# Altium PCB Tigershark 3D R1.7.PcbDoc (part 4 of 4)
Units mil, origin at the board's own origin, x right, y up, seen from the top; angles counter-clockwise.
Board outline 5500 x 4600 mil, 4 copper layers (Top Layer, Groun Plane, Power Plane, Bottom Layer); 305 components, 242 nets, 1015 pads, 866 vias.
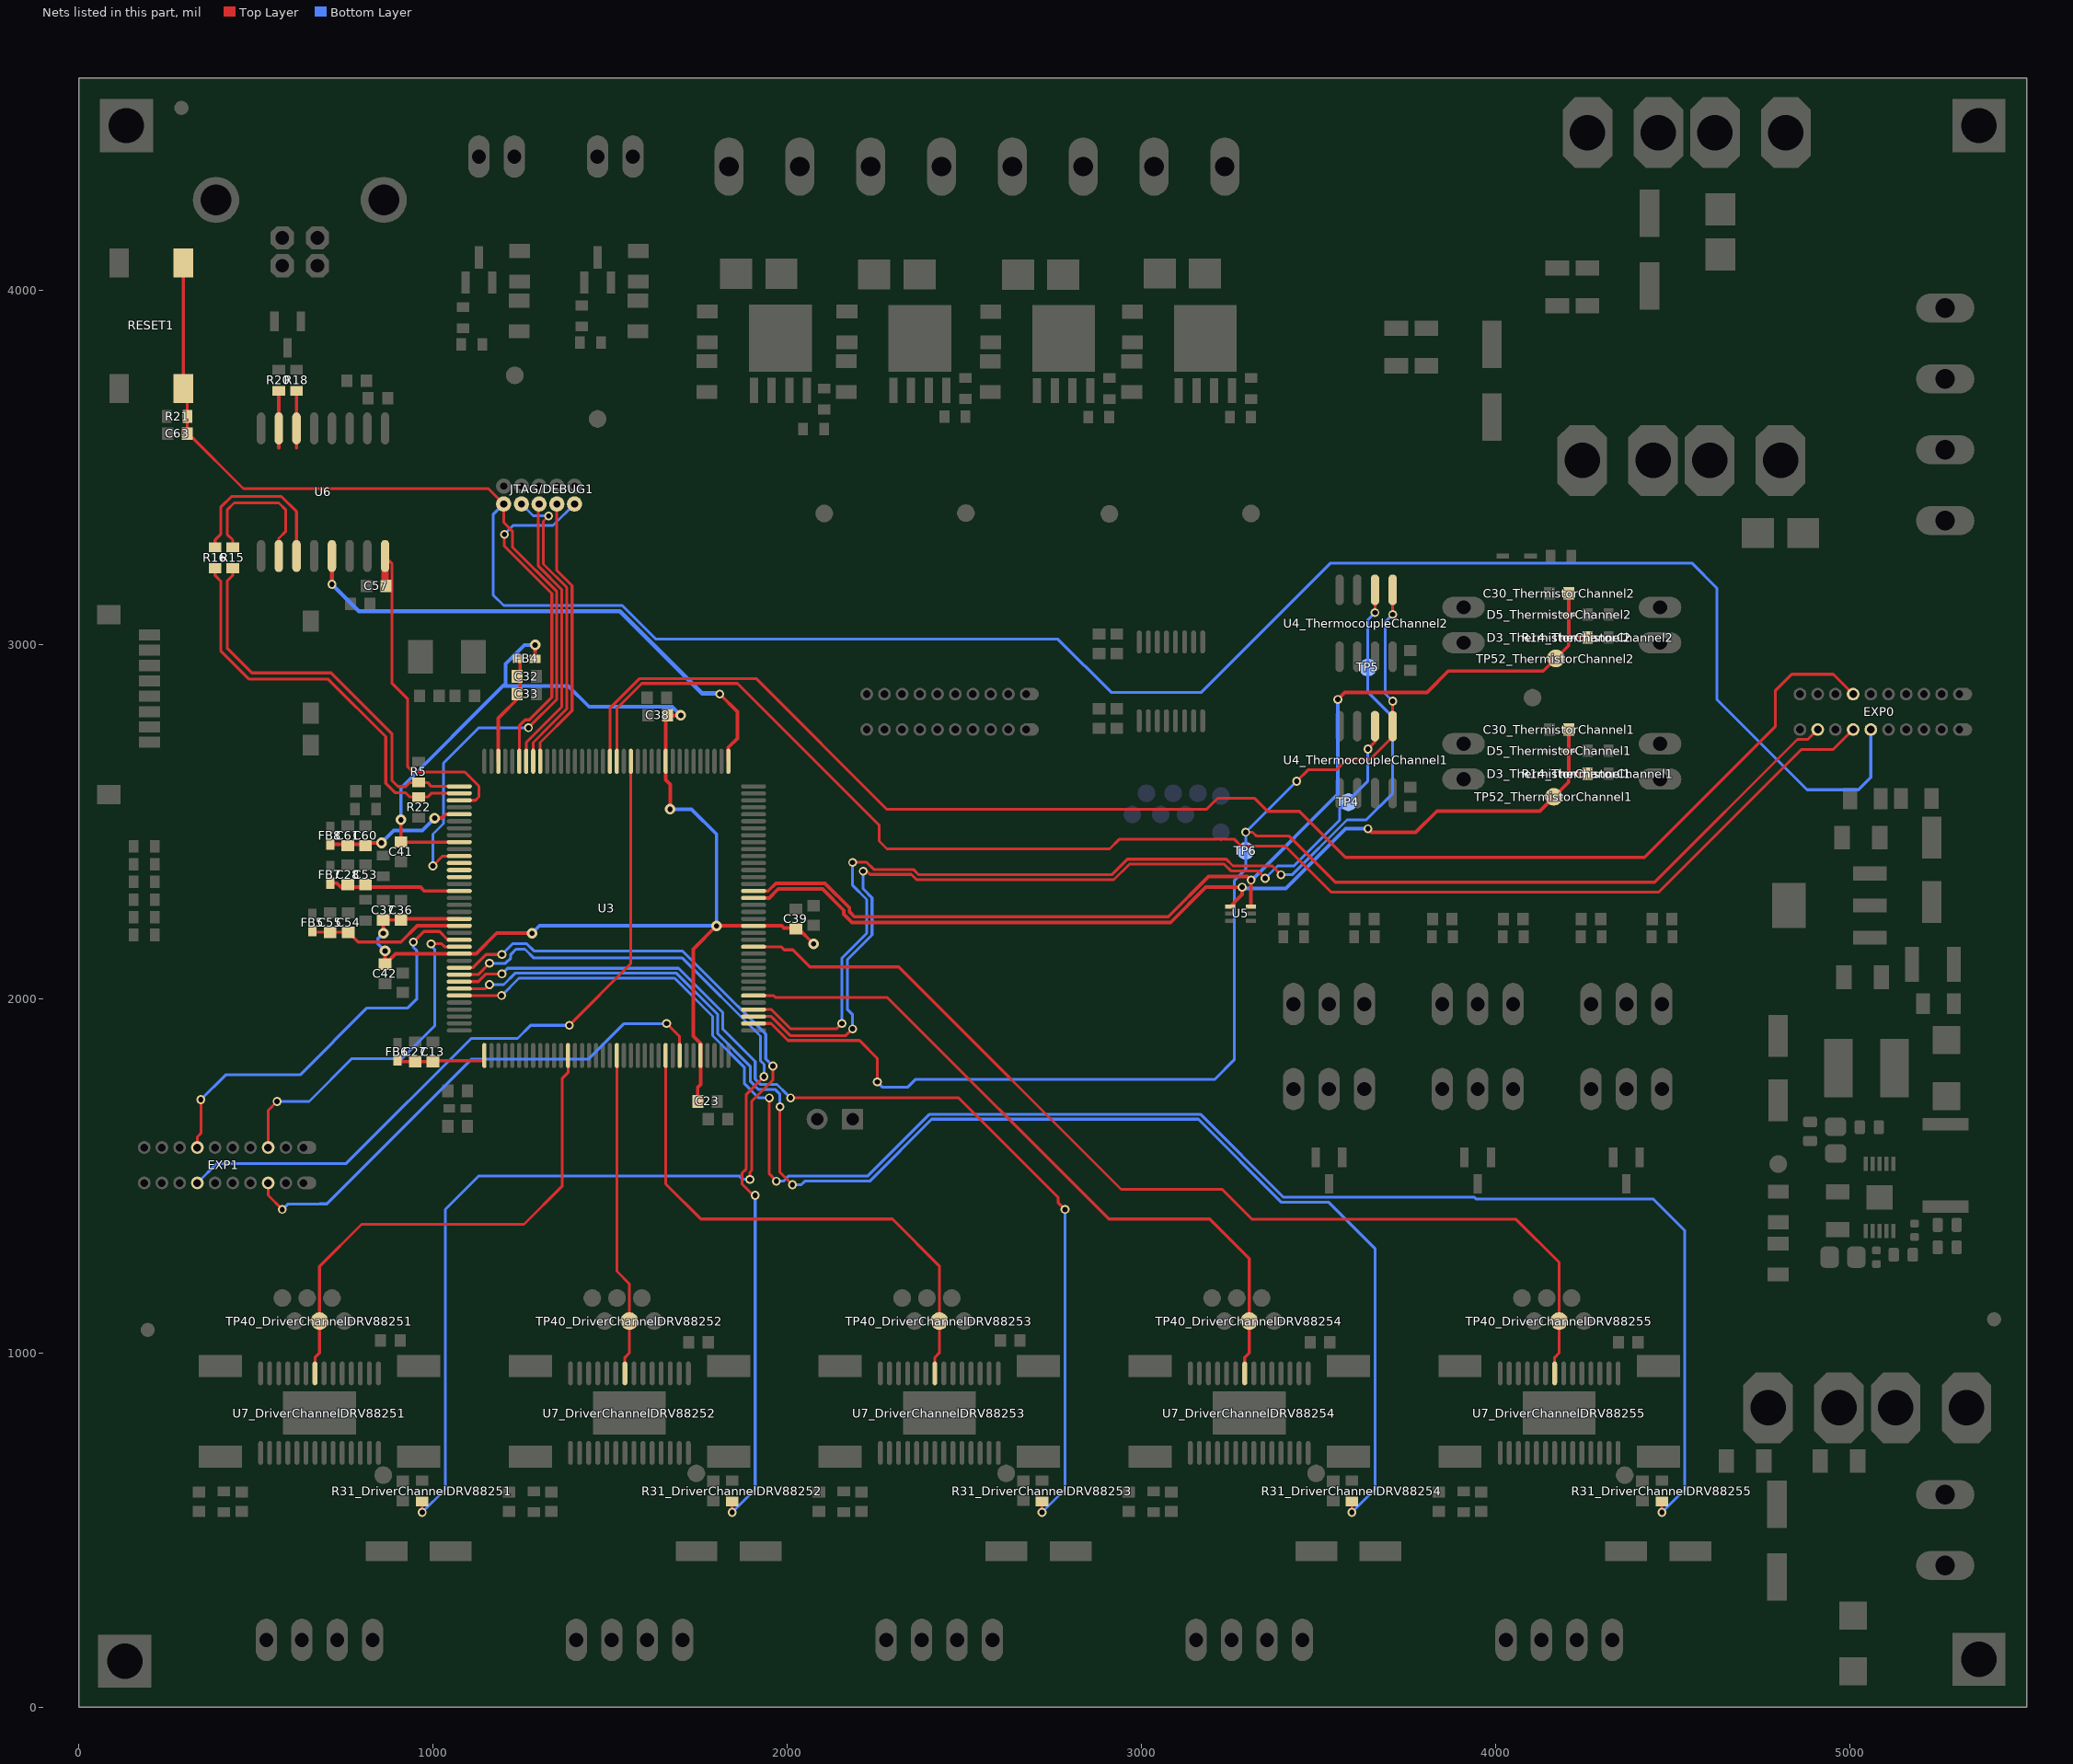
[diagram p6: the nets of this part, all layers, seen from the top]

## Via types
v1: diameter 25, hole 15, Top Layer to Bottom Layer, tented both sides, 382 vias
v2: diameter 30, hole 15, Top Layer to Bottom Layer, tented both sides, 378 vias
v3: diameter 19.68, hole 7.87, Top Layer to Bottom Layer, tented both sides, 75 vias
v4: diameter 50, hole 28, Top Layer to Bottom Layer, tented both sides, 13 vias
v5: diameter 45, hole 20, Top Layer to Bottom Layer, tented both sides, 9 vias
v6: diameter 30, hole 15, Top Layer to Bottom Layer, 9 vias

## Nets (pads, with @x,y where several pads share a name; then routed paths per layer and width w, separated by ;. In a path a pad name is that pad's centre, name@x,y a point inside that pad or via, vN(x,y) a via of type N, cw(c..) or ccw(c..) an arc to the next point about the centre after c; other vN are vias at no path point) (continued)
REF1: R31_DriverChannelDRV88251.2 U3.63 | length 3260
  Top Layer w8: v1(970,550) R31_DriverChannelDRV88251.2@970,580.47 ; U3.63@1074.65,2087.68 1112.68,2087.68 1150,2125 v1(1195,2125) ; v1(1895,1490) 1895,1510 1900,1515 1900,1710 1960,1770 v1(1960,1810)
  Bottom Layer w8: v1(970,550) 1035,615 1035,1405 1130,1500 1865,1500 1875,1490 v1(1895,1490) ; v1(1195,2125) 1225,2155 1265,2155 1285,2135 1704.31,2135 1859.96,1979.35 1860.65,1979.35 1940,1900 1940,1830 v1(1960,1810)
REF2: R31_DriverChannelDRV88252.2 U3.64 | length 3226.7
  Top Layer w8: U3.64@1074.65,2067.99 1127.99,2067.99 v1(1160,2100) ; v1(1845,550) R31_DriverChannelDRV88252.2@1845,580.47 ; v1@1907.5,1442.5 1872.5,1477.5 1872.5,1507.3 1885,1519.8 1885,1730 v1(1935,1780)
  Bottom Layer w8: v1(1160,2100) 1205,2100 1220,2115 1220,2125 1235,2140 1260,2140 1285,2115 1704.51,2115 1925,1894.51 1925,1825 1935,1815 v1(1935,1780) ; v1(1845,550) 1910,615 ; 1910,1405 1910,615 ; v1(1910,1445) 1910,615
REF3: R31_DriverChannelDRV88253.2 U3.65 | length 2972.3
  Top Layer w8: U3.65@1074.65,2048.31 1128.11,2048.31 1149.8,2070 v1(1195,2070) ; v1(2010,1720) 2485,1720 2765,1440 2765,1425 v1(2785,1405) ; v1(2720,550) R31_DriverChannelDRV88253.2@2720,580.47
  Bottom Layer w8: v1(1195,2070) 1211,2086 1693.91,2086 1817.96,1961.95 1817.96,1915.22 1910,1823.18 1910,1773.18 1925.68,1757.5 1944.32,1757.5 1945.01,1758.19 1971.81,1758.19 2000,1730 ; v1(2720,550) 2785,615 v1(2785,1405)
REF4: R31_DriverChannelDRV88254.2 U3.66 | length 4066.9
  Top Layer w8: U3.66@1074.65,2028.62 1148.62,2028.62 v1(1160,2040) ; v1(1980,1695) 1980,1510 v1(2015,1475) ; v1(3595,550) R31_DriverChannelDRV88254.2@3595,580.47
  Bottom Layer w8: v1(1160,2040) 1200,2040 1232,2072 1688.11,2072 1803.96,1956.15 1803.96,1901.64 1896,1809.6 1896,1767.38 1919.88,1743.5 1950.12,1743.5 1950.81,1744.19 1965.81,1744.19 1980,1730 v1(1980,1695) ; v1(2015,1475) 2040,1475 2050,1485 2233.39,1485 2408.39,1660 3161.41,1660 3396.41,1425 3530,1425 3660,1295 3660,615 v1(3595,550)
REF5: R31_DriverChannelDRV88255.2 U3.67 | length 4969.7
  Top Layer w8: U3.67@1074.65,2008.94 v1(1193.94,2008.94) ; v1(1950,1720) 1950,1505 v1(1970,1485) ; v1(4470,550) R31_DriverChannelDRV88255.2@4470,580.47
  Bottom Layer w8: v1(1193.94,2008.94) 1243,2058 1682.32,2058 1789.96,1950.36 1789.96,1895.84 1880,1805.8 1880,1760 1920,1720 v1(1950,1720) ; v1(1970,1485) 1990,1485 2005,1500 2228.59,1500 2402.59,1674 3167.21,1674 3401.21,1440 3940.3,1440 3945.3,1435 4445,1435 4535,1345 4535,615 v1(4470,550)
REF_EXP1: EXP1.8 U3.101 | length 1499.6
  Top Layer w8: EXP1.8@535,1480 535,1445 v1(575,1405) ; v1(1660,1930) 1696.69,1893.31 U3.101@1696.69,1839.65
  Bottom Layer w8: v1(575,1405) 590,1420 680,1420 681,1421 701,1421 1110,1830 1440.2,1830 1540.2,1930 v1(1660,1930)
REF_EXP2: EXP1.13 U3.60 | length 992.8
  Top Layer w8: EXP1.13@535,1580 535,1685 v1(560,1710) ; v1(995,2155) 1025,2155 1033.27,2146.73 U3.60@1074.65,2146.73
  Bottom Layer w8: v1(560,1710) 650.6,1710 771.6,1831 913.01,1831 1005,1922.99 1005,2140 995,2150 v1(995,2155)
RESET: C63.2 EXP0.5 JTAG/DEBUG1.10 R21.1 RESET1.1 U3.47 | length 7845.8
  Top Layer w8: RESET1.1@295.55,4077.17 RESET1.1@295.55,3722.83 306.56,3711.83 C63.2@306.56,3595 310,3595 465,3440 1157,3440 JTAG/DEBUG1.10@1200,3397 1200,3344.82 1224.5,3320.32 1224.5,3275.1 1350,3149.6 1350,2845 v1(1270,2765) ; v1(1000,2375) 1027.64,2402.64 1037.64,2402.64
  Bottom Layer w8: v1(1000,2375) 1000,2464.64 1030,2494.64 1030,2665 1130,2765 v1(1270,2765) ; JTAG/DEBUG1.10@1200,3397 1170,3367 1170,3140 1200,3110 1535,3110 1630,3015 2765,3015 2915,2865 3170,2865 3535,3230 4554.64,3230 4625,3159.64 4625,2845 4880,2590 5025,2590 5060,2625 EXP0.5@5060,2760
RXD1: EXP0.17 U3.18 | length 4225.3
  Top Layer w8: U3.18@1499.84,2670.35 1499.84,2819.64 1584.2,2904 1912.82,2904 2281.82,2535 3184.2,2535 3214.7,2565.5 3320.52,2565.5 3357.02,2529 3446.8,2529 3576.8,2399 4420.81,2399 4790,2768.19 4790,2869.2 4836.8,2916 4954,2916 EXP0.17@5010,2860
SCLK: EXP0.2 TP6.1 U3.110 U4_ThermocoupleChannel1.5 U4_ThermocoupleChannel2.5 | length 4969.5
  Top Layer w8: U3.110@1905.35,1930.2 1954.8,1930.2 2003,1882 2204.62,1882 2255,1831.62 v1(2255,1765) ; v1(3295,2470) 3315,2470 3326,2459 3417.81,2459 3547.81,2329 4449.8,2329 4852.8,2732 4882,2732 EXP0.2@4910,2760 ; v1(3439,2614) 3471,2646 3550.8,2646 3580.8,2676 3646,2676 3710,2740 U4_ThermocoupleChannel1.5@3710,2769.49 v1(3710,2840) ; v1(3710,3085) U4_ThermocoupleChannel2.5@3710,3154.49
  Bottom Layer w8: v1(2255,1765) 2270,1750 2340,1750 2362,1772 3207,1772 3262.5,1827.5 3262.5,2332.5 3295,2365 v1(3295,2470) v1(3439,2614) ; v1(3710,2840) 3689,2861 3689,3064 v1(3710,3085)
SHDN: U3.50
SPD: U3.1 U6.13 | length 1524.2
  Top Layer w10: v1(1810,2860) 1860,2810 1860,2735 1834.49,2709.49 U3.1@1834.49,2670.35
  Top Layer w12: v1(715,3170) U6.13@715,3249.88
  Bottom Layer w12: v1(715,3170) 791,3094 1528.37,3094 1760.37,2862 1808,2862 v1(1810,2860)
STEP1: TP40_DriverChannelDRV88251.1 U3.85 U7_DriverChannelDRV88251.22 | length 1462.2
  Top Layer w8: U7_DriverChannelDRV88251.22@667.2,942.2 667.2,987.2 680,1000 TP40_DriverChannelDRV88251.1@680,1090 680,1244.4 798.6,1363 1257.4,1363 1364.68,1470.28 1364.68,1774.28 1381.73,1791.33 U3.85@1381.73,1839.65
STEP2: TP40_DriverChannelDRV88252.1 U3.92 U7_DriverChannelDRV88252.22 | length 917.4
  Top Layer w8: U3.92@1519.53,1839.65 1519.53,1230.47 1555,1195 TP40_DriverChannelDRV88252.1@1555,1090 1555,1000 1542.2,987.2 U7_DriverChannelDRV88252.22@1542.2,942.2
STEP3: TP40_DriverChannelDRV88253.1 U3.99 U7_DriverChannelDRV88253.22 | length 1539.8
  Top Layer w8: U3.99@1657.32,1839.65 1657.32,1477.07 1756.4,1378 2297.6,1378 2430,1245.6 TP40_DriverChannelDRV88253.1@2430,1090 2430,1000 2417.2,987.2 U7_DriverChannelDRV88253.22@2417.2,942.2
STEP4: TP40_DriverChannelDRV88254.1 U3.114 U7_DriverChannelDRV88254.22 | length 2036.8
  Top Layer w8: U3.114@1905.35,2008.94 1962.87,2008.94 1968.56,2003.25 2283.36,2003.25 2908.61,1378 3193.61,1378 3305,1266.61 TP40_DriverChannelDRV88254.1@3305,1090 3305,1000 3292.2,987.2 U7_DriverChannelDRV88254.22@3292.2,942.2
STEP5: TP40_DriverChannelDRV88255.1 U3.121 U7_DriverChannelDRV88255.22 | length 2962.5
  Top Layer w8: U3.121@1905.35,2146.73 1983.27,2146.73 1992,2138 2016.6,2138 2064.72,2089.88 2315.52,2089.88 2943.4,1462 3228.4,1462 3313.4,1377 4058.6,1377 4180,1255.6 TP40_DriverChannelDRV88255.1@4180,1090 4180,1000 4167.2,987.2 U7_DriverChannelDRV88255.22@4167.2,942.2
STEP_EXP1: EXP1.4 U3.15 | length 2051.7
  Top Layer w8: v1(1385,1925) 1558.9,2098.9 U3.15@1558.9,2670.35
  Bottom Layer w8: EXP1.4@335,1480 390,1535 755.6,1535 1108.6,1888 1239.01,1888 1276.01,1925 v1(1385,1925)
STEP_EXP2: EXP1.17 U3.59 | length 1183.2
  Top Layer w8: EXP1.17@335,1580 335,1610 345,1620 v1(345,1715) ; v1(945,2160) 975,2190 1018.73,2190 1040.12,2168.6 1072.46,2168.6 U3.59@1074.65,2166.42
  Bottom Layer w8: v1(345,1715) 415,1785 625,1785 814,1974 929,1974 955,2000 955,2135 945,2145 v1(945,2160)
TC_CS1: TP4.1 U3.111 U4_ThermocoupleChannel1.6 | length 2565
  Top Layer w8: U3.111@1905.35,1949.88 1955.12,1949.88 2009,1896 2166,1896 v1(2185,1915) ; v1(2215,2360) 2225,2360 2234,2351 2351.01,2351 2366.01,2336 2922.78,2336 2966.71,2379.93 3234.46,2379.93 3253.39,2361 3329,2361 v1(3350,2340) ; v1(3640,2705) 3660,2725 U4_ThermocoupleChannel1.6@3660,2769.49
  Bottom Layer w8: v1(2185,1915) 2185,1955 2170,1970 2170,2110 2240,2180 2240,2285 2215,2310 v1(2215,2360) ; v1(3350,2340) 3385,2375 3431.21,2375 3560,2503.79 3560,2535 3640,2615 v1(3640,2705)
TC_CS2: TP5.1 U3.112 U4_ThermocoupleChannel2.6 | length 3061.9
  Top Layer w8: U3.112@1905.35,1969.57 1955.43,1969.57 2010,1915 2140,1915 v1(2155,1930) ; v1(2185,2385) 2225,2385 2245,2365 2356.81,2365 2371.81,2350 2916.98,2350 2960.91,2393.93 3240.26,2393.93 3259.19,2375 3370,2375 v1(3395,2350) ; v1(3660,3090) U4_ThermocoupleChannel2.6@3660,3154.49
  Bottom Layer w8: v1(2155,1930) 2155,2115 2225,2185 2225,2280 2185,2320 v1(2185,2385) ; v1(3395,2350) 3426.01,2350 3581.01,2505 3635,2505 3710,2580 3710,2795 3640,2865 3640,3070 v1(3660,3090)
TCK/SWDCLK: JTAG/DEBUG1.4 U3.28 | length 781.7
  Top Layer w8: U3.28@1302.99,2670.35 1302.99,2722.99 1393,2813 1393,3166 1350,3209 JTAG/DEBUG1.4@1350,3397
TDI: JTAG/DEBUG1.8 U3.29 | length 857.5
  Top Layer w8: U3.29@1283.31,2670.35 1283.31,2723.11 1308,2747.8 1308,2748.2 1378,2818.2 1378,3161.2 1312,3227.2 1312,3348 v1(1327,3363)
  Bottom Layer w8: JTAG/DEBUG1.8@1250,3397 1283.5,3363.5 1327.5,3363.5 v1(1327,3363)
TDO/SWO: JTAG/DEBUG1.6 U3.30 | length 796.4
  Top Layer w8: U3.30@1263.62,2670.35 1263.62,2723.62 1364,2824 1364,3155.4 1298,3221.4 1298,3395 JTAG/DEBUG1.6@1300,3397
THERM_AN1: C30_ThermistorChannel1.2 D3_ThermistorChannel1.1 D5_ThermistorChannel1.2 R14_ThermistorChannel1.1 TP52_ThermistorChannel1.1 U3.128 U5.4 | length 2803.5
  Top Layer w10: U3.128@1905.35,2284.53 1949.53,2284.53 1975,2310 2100,2310 2160.5,2249.5 2160.5,2238.64 2183.64,2215.5 3083.13,2215.5 3182.63,2315 v1(3285,2315) 3285,2294.21 U5.4@3250.47,2259.69 ; v1(3640,2480) 3650,2470 3775,2470 3835,2530 4125,2530 4206.57,2611.57 D3_ThermistorChannel1.1@4206.57,2635 R14_ThermistorChannel1.1@4260.47,2635 ; D3_ThermistorChannel1.1@4207.56,2635.98 C30_ThermistorChannel1.2@4207.56,2760
  Bottom Layer w10: v1(3285,2315) 3288.5,2311.5 3408.73,2311.5 3577.23,2480 v1(3640,2480)
THERM_AN2: C30_ThermistorChannel2.2 D3_ThermistorChannel2.1 D5_ThermistorChannel2.2 R14_ThermistorChannel2.1 TP52_ThermistorChannel2.1 U3.129 U5.3 | length 3114.1
  Top Layer w10: U3.129@1905.35,2304.21 1946.59,2304.21 1968.37,2326 2106.63,2326 2176.5,2256.13 2176.5,2245.27 2190.27,2231.5 3076.5,2231.5 3190,2345 3300,2345 v1(3310,2335) 3310,2260.16 U5.3@3309.53,2259.69 ; v1(3555,2845) 3575,2865 3807.28,2865 3867.28,2925 4135,2925 4206.57,2996.57 D3_ThermistorChannel2.1@4206.57,3020 R14_ThermistorChannel2.1@4260.47,3020 ; D3_ThermistorChannel2.1@4207.56,3020.98 C30_ThermistorChannel2.2@4207.56,3145
  Bottom Layer w10: v1(3310,2335) 3311.77,2335 3555,2578.23 v1(3555,2845)
TMS/SWDIO: JTAG/DEBUG1.2 U3.31 | length 974.6
  Top Layer w8: v1(1202,3311) 1202,3277.8 1336,3143.8 1336,2851 1272.5,2787.5 1260.68,2787.5 1243.94,2770.76 U3.31@1243.94,2670.35
  Bottom Layer w8: v1@1202,3311.46 1226.54,3336 1339,3336 JTAG/DEBUG1.2@1400,3397
TXD1: EXP0.4 U3.17 | length 4151.6
  Top Layer w8: U3.17@1519.53,2670.35 1519.53,2819.53 1590,2890 1860,2890 2260,2490 2260,2445 2282,2423 2910.79,2423 2937.71,2449.93 3263.45,2449.93 3282.38,2431 3406.21,2431 3536.21,2301 4461.4,2301 4864.4,2704 4954,2704 EXP0.4@5010,2760
UD_N: R18.1 U6.6 | length 161.4
  Top Layer w10: 615,3555 R18.1@615,3716.35
UD_P: R20.1 U6.7 | length 161.4
  Top Layer w10: 565,3555 R20.1@565,3716.35
UI_N: R16.2 U6.11 | length 489.4
  Top Layer w8: R16.2@385,3274.53 385,3295 401,3311 401,3387.46 431.54,3418 572.46,3418 615,3375.46 U6.11@615,3249.88
UI_P: R15.2 U6.10 | length 433.1
  Top Layer w8: R15.2@435,3274.53 435,3295 419,3311 419,3380 439,3400 565,3400 585,3380 585,3320 565,3300 U6.10@565,3249.88
UMCU_N: R16.1 R22.1 U3.38 | length 1165.9
  Top Layer w8: R16.1@385,3215.47 385,3195 401,3179 401,2982.54 481.54,2902 705,2902 867,2740 867,2608 894,2581 923.53,2581 935,2569.53 R22.1@960,2569.53 985,2569.53 995.28,2579.8 U3.38@1074.65,2579.8
UMCU_P: R5.1 R15.1 U3.37 | length 1136.3
  Top Layer w8: R15.1@435,3215.47 435,3195 419,3179 419,2990 489,2920 712.46,2920 885,2747.46 885,2615.46 901.46,2599 923.53,2599 935,2610.47 R5.1@960,2610.47 985,2610.47 995.98,2599.49 U3.37@1074.65,2599.49
VBUS: C57.2 U3.39 U6.16 | length 1011.1
  Top Layer w8: U6.16@867.56,3245 885,3227.56 885,2890 929.17,2845.83 929.17,2654.72 943.89,2640 1090,2640 1130,2600 1130,2570 1120.12,2560.12 U3.39@1074.65,2560.12
  Top Layer w20: C57.2@865,3167.56 U6.16@865,3249.88
VDDANA: C13.2 C27.2 FB6.2 U3.73 | length 247.7
  Top Layer w10: FB6.2@903.94,1822.44 C27.2@950,1822.44 C13.2@1000,1822.44 1002.56,1825 U3.73@1145,1825
  Top Layer w15: FB6.2@900,1826.38 FB6.2@903.94,1822.44
VDDBU: C28.2 C53.2 FB7.2 U3.52 | length 373.8
  Top Layer w10: FB7.2@710,2326.38 728.62,2326.38 740,2315 965,2315 975.79,2304.21 U3.52@1074.65,2304.21
VDDIN: C54.2 C55.2 FB5.2 U3.57 | length 457.1
  Top Layer w8: FB5.2@661.22,2201.38 FB5.2@665.16,2197.44 ; FB5.2@663.94,2187.44 C55.2@710,2187.44 C54.2@761.22,2187.44 788.66,2160 910,2160 ; C54.2@761.22,2197.44 C54.2@768.66,2190
  Top Layer w10: 910,2160 955.79,2205.79 U3.57@1074.65,2205.79
VDDOUT: C23.2 C36.2 C37.2 C38.2 C39.2 C41.2 C42.2 FB4.1 U3.10 U3.45 U3.56 U3.61 U3.104 U3.124 | length 4360
  Top Layer w10: v2(860,2185) C37.2@860,2222.44 C36.2@910,2222.44 913.03,2225.47 U3.56@1074.65,2225.47 ; v2(865,2135) C42.2@865,2097.56 894.49,2127.05 U3.61@1074.65,2127.05 1122.05,2127.05 1180,2185 v2(1280,2185) ; v2(910,2505) C41.2@910,2442.56 C41.2@910.53,2442.03 ; C41.2@910.55,2442.01 U3.45@1074.65,2442.01 ; FB4.1@1288.62,2960 v2(1288.62,2998.62) ; v2(1670,2535) 1670,2605 1657.32,2617.68 U3.10@1657.32,2670.35 1657.32,2794.76 C38.2@1662.56,2800 v2(1700,2800) ; C23.2@1747.87,1710 1747.87,1749.8 1755.75,1757.68 U3.104@1755.75,1839.65 1755.75,1873.4 1735,1894.14 1735,2140 v2(1800.79,2205.79) U3.124@1905.35,2205.79 1985.22,2205.79 1991.01,2200 2030,2200 v2(2075,2155)
  Bottom Layer w10: v2(860,2185) 845,2170 845,2155 v2(865,2135) ; v2(910,2505) 910,2595 1197.5,2882.5 ; v2(1280,2185) 1300.79,2205.79 v2(1800.79,2205.79) 1800.79,2464.21 1730,2535 v2@1675,2535 ; v2(1288.62,2998.62) 1258.62,2998.62 1205,2945 1205,2890 1197.5,2882.5 ; v2(1700,2800) 1676,2824 1441,2824 1382.5,2882.5 1197.5,2882.5
VDDPLL: C32.2 C33.2 FB4.2 U3.34 | length 317.2
  Top Layer w10: U3.34@1184.88,2670.35 1184.88,2792.12 1246.38,2853.62 1246.38,2955 FB4.2@1241.38,2960
VDDUTMI: C60.2 C61.2 FB8.2 U3.41 | length 372.5
  Top Layer w10: FB8.2@710,2436.38 C60.2@806.06,2436.38 ; C60.2@817.56,2440 v2(855,2440) ; v2(1005,2510) 1025,2510 1035.75,2520.75 U3.41@1074.65,2520.75
  Bottom Layer w10: v2@865,2450 890,2475 970,2475 v2(1005,2510)
XIN32: U3.48
XOUT32: U3.49
pads on no net: FD1.1 FD2.1 FD3.1 JTAG/DEBUG1.1@1475.59,3478.5 JTAG/DEBUG1.7 U4_ThermocoupleChannel1.8 U4_ThermocoupleChannel2.8 U7_DriverChannelDRV88251.18 U7_DriverChannelDRV88251.19 U7_DriverChannelDRV88251.23 U7_DriverChannelDRV88251.27 U7_DriverChannelDRV88252.18 U7_DriverChannelDRV88252.19 U7_DriverChannelDRV88252.23 U7_DriverChannelDRV88252.27 U7_DriverChannelDRV88253.18 U7_DriverChannelDRV88253.19 U7_DriverChannelDRV88253.23 U7_DriverChannelDRV88253.27 U7_DriverChannelDRV88254.18 U7_DriverChannelDRV88254.19 U7_DriverChannelDRV88254.23 U7_DriverChannelDRV88254.27 U7_DriverChannelDRV88255.18 U7_DriverChannelDRV88255.19 U7_DriverChannelDRV88255.23 U7_DriverChannelDRV88255.27 USB.P$1 USB.P$2

## Polygon pours and split planes (outlines as drawn)
GND on Top Layer "SMPS" (solid, pour order 49): 5136,1562 5164,1534 5164,1446 5214,1396 5337,1396 5337,1521 5288,1570 5286,1572 5153,1572 5136,1572
NetC40_2 on Top Layer "SMPS" (solid, pour order 48): 5070,1576 5092.77,1598.77 5092.77,1643 5199,1749.23 5199,1765 5215,1781 5291,1781 5329,1819 5329,1905 5311,1923 5229,1923 5116,1923 5070,1877 5059,1866 5059,1594 5059,1579 5062,1576
NetD2_A on Top Layer "SMPS" (solid, pour order 47): 5103,1579 5239,1579 5288,1579 5337,1628 5337,1741 5313,1765 5224,1765 5212,1753 5212,1736 5131,1655 5104,1628 5104,1582
+12VCC2 on Top Layer "Top Layer-No Net" (solid, pour order 90): 4790,3395 4520,3395 4520,3645 4120,3645 4120,3765 3922,3765 3922,3810 3650,3810 3650,3650 3385,3650 3385,3300 4195,3300 4195,3185 4790,3185
+12VCC3 on Top Layer "Top Layer-No Net" (solid, remove dead copper, pour order 60): 4580,4090 4580,4155 4720,4155 4720,4311 4535,4311 4535,4575 3650,4575 3650,3995 4395,3995 4395,4090
GND on Top Layer "Top Layer-No Net" (solid, remove dead copper, pour order 69): 5475,3650 4128,3650 4128,3771 3931,3771 3931,3815 3655,3815 3655,3985 4400,3985 4400,4085 4585,4085 4585,4150 4725,4150 4725,3920 5110,3920 5110,3820 5475,3820
GND on Top Layer "Top Layer-No Net" (solid, remove dead copper, pour order 51): 1480,3925 1480,4060 1490,4060 1495,4060 1495,4130 1540,4130 1540,3925
GND on Top Layer "Top Layer-No Net" (solid, remove dead copper, pour order 52): 1145,3925 1145,4060 1155,4060 1160,4060 1160,4130 1205,4130 1205,3925
NetF3_1 on Top Layer "Top Layer-No Net" (solid, remove dead copper, pour order 58): 5125,500 5475,500 5475,955 5055,955 5055,735 5125,735
NetD18_1 on Top Layer "Top Layer-No Net" (solid, remove dead copper, pour order 57): 3640,4576.22 3640,3770 3385,3770 3385,3735 3340,3735 3340,3765 3080,3765 3080,3686.22 2940,3686.22 2940,3766.22 3015,3766.22 3015,3906.22 3090,3906.22 3090,3981.22 3135,3981.22 3135,4576.22
+12VCC1 on Top Layer "Top Layer-No Net" (solid, remove dead copper, pour order 67): 5045,955 4650,955 4650,750 4680,750 4680,360 4835,360 4835,285 4625,285 4625,25 4940,25 4940,205 5070,205 5070,320 5115,320 5115,655 4995,655 4995,735 5045,735
GND on Top Layer "Top Layer-No Net" (solid, remove dead copper, pour order 89): 5475,2990 5475,3390 5470,3395 5165,3395 4800,3395 4800,3250 4800,2990
NetF1_1 on Top Layer "Top Layer-No Net" (solid, remove dead copper, pour order 87): 5475,3400 5475,3645 4530,3645 4530,3494.66 4530,3422.27 4530,3400
NetF1_1 on Top Layer "Top Layer-No Net" (solid, remove dead copper, pour order 88): 5475,3400 5475,3645 4530,3645 4530,3494.66 4530,3422.27 4530,3400
+12VCC2 on Top Layer "Top Layer-No Net" (solid, remove dead copper, pour order 85): 1275,4090 1275,4455 1190,4455 1190,4140 1215,4140 1215,4090
+12VCC2 on Top Layer "Top Layer-No Net" (solid, remove dead copper, pour order 86): 1610,4090 1610,4455 1525,4455 1525,4140 1550,4140 1550,4090
+12VCC2 on Top Layer "Top Layer-No Net" (solid, remove dead copper, pour order 50): 1930,4566.64 1745,4566.64 1745,3921.64 1885,3921.64 1885,3996.64 1930,3996.64 1930,4566.64
+12VCC2 on Top Layer "Top Layer-No Net" (solid, remove dead copper, pour order 71): 2324,4566.64 2139,4566.64 2139,3921.64 2279,3921.64 2279,3996.64 2324,3996.64 2324,4566.64
+12VCC2 on Top Layer "Top Layer-No Net" (solid, remove dead copper, pour order 72): 2730,4566.22 2545,4566.22 2545,3921.22 2685,3921.22 2685,3996.22 2730,3996.22 2730,4566.22
+12VCC3 on Top Layer "Top Layer-No Net" (solid, remove dead copper, pour order 73): 3130,4566.22 2945,4566.22 2945,3921.22 3085,3921.22 3085,3996.22 3130,3996.22
NetD10_1 on Top Layer "Top Layer-No Net" (solid, remove dead copper, pour order 83): 1445,4090 1485,4090 1485,4125 1515,4155 1515,4455 1415,4455 1415,4155 1445,4125
NetD11_1 on Top Layer "Top Layer-No Net" (solid, remove dead copper, pour order 84): 1110,4090 1150,4090 1150,4130 1180,4160 1180,4455 1080,4455 1080,4160 1110,4130
GND on Top Layer "Top Layer-No Net" (solid, remove dead copper, pour order 54): 4950,200 4950,25 4955,20 5275,20 5275,225 5475,225 5475,505 5125,505 5125,315 5075,315 5075,200
NetF2_1 on Top Layer "Top Layer-No Net" (solid, remove dead copper, pour order 56): 5115,3825 5475,3825 5475,4575 4545,4575 4545,4320 4730,4320 4730,3925 5115,3925
GND on Top Layer "Top Layer-No Net" (solid, remove dead copper, pour order 65): 250,25 680,25 680,125 485,125 485,530 315,530 315,635 335,635 335,745 1025,745 1025,670 995,670 995,615 895,615 895,565 935,565 935,600 995,600 995,525 870,525 870,125 680,125 680,25 1115,25 1115,1325 870,1325 870,900 525,900 525,1325 250,1325
GND on Top Layer "Top Layer-No Net" (solid, remove dead copper, pour order 64): 1125,25 1555,25 1555,125 1360,125 1360,530 1190,530 1190,635 1210,635 1210,745 1900,745 1900,670 1870,670 1870,615 1770,615 1770,565 1810,565 1810,600 1870,600 1870,525 1745,525 1745,125 1555,125 1555,25 1990,25 1990,1325 1745,1325 1745,900 1400,900 1400,1325 1125,1325
GND on Top Layer "Top Layer-No Net" (solid, remove dead copper, pour order 63): 2000,25 2430,25 2430,125 2235,125 2235,530 2065,530 2065,635 2085,635 2085,745 2775,745 2775,670 2745,670 2745,615 2645,615 2645,565 2685,565 2685,600 2745,600 2745,525 2620,525 2620,125 2430,125 2430,25 2865,25 2865,1325 2620,1325 2620,900 2275,900 2275,1325 2000,1325
GND on Top Layer "Top Layer-No Net" (solid, remove dead copper, pour order 62): 2875,25 3305,25 3305,125 3110,125 3110,530 2940,530 2940,635 2960,635 2960,745 3650,745 3650,670 3620,670 3620,615 3520,615 3520,565 3560,565 3560,600 3620,600 3620,525 3495,525 3495,125 3305,125 3305,25 3740,25 3740,1325 3495,1325 3495,900 3150,900 3150,1325 2875,1325
GND on Top Layer "Top Layer-No Net" (solid, remove dead copper, pour order 61): 3750,25 4180,25 4180,125 3985,125 3985,530 3815,530 3815,635 3835,635 3835,745 4525,745 4525,670 4495,670 4495,615 4395,615 4395,565 4435,565 4435,600 4495,600 4495,525 4370,525 4370,125 4180,125 4180,25 4615,25 4615,1325 4370,1325 4370,900 4025,900 4025,1325 3750,1325
GND on Top Layer "Top Layer-No Net" (solid, remove dead copper, pour order 77): 1885,3758 1885,3673 1740,3673 1740,3270 2075,3270 2075,3673 2025,3673 2025,3758
GND on Top Layer "Top Layer-No Net" (solid, remove dead copper, pour order 76): 2278.5,3757.61 2278.5,3672.61 2133.5,3672.61 2133.5,3269.61 2468.5,3269.61 2468.5,3672.61 2418.5,3672.61 2418.5,3757.61
GND on Top Layer "Top Layer-No Net" (solid, remove dead copper, pour order 75): 2684.5,3757.19 2684.5,3672.19 2539.5,3672.19 2539.5,3269.19 2874.5,3269.19 2874.5,3672.19 2824.5,3672.19 2824.5,3757.19
GND on Top Layer "Top Layer-No Net" (solid, remove dead copper, pour order 74): 3084.5,3757.19 3084.5,3672.19 2939.5,3672.19 2939.5,3269.19 3274.5,3269.19 3274.5,3672.19 3224.5,3672.19 3224.5,3757.19
NetD16_1 on Top Layer "Top Layer-No Net" (solid, remove dead copper, pour order 59): 2920,4566.22 2920,3780 2875,3780 2875,3766.22 2675,3766.22 2675,3681.22 2540,3681.22 2540,3766.22 2610,3766.22 2610,3906.22 2690,3906.22 2690,3986.22 2735,3986.22 2735,4566.22
NetD14_1 on Top Layer "Top Layer-No Net" (solid, remove dead copper, pour order 66): 2514,4566.64 2514,3780 2469,3780 2469,3766.64 2269,3766.64 2269,3681.64 2134,3681.64 2134,3766.64 2204,3766.64 2204,3906.64 2284,3906.64 2284,3986.64 2329,3986.64 2329,4566.64
NetD12_1 on Top Layer "Top Layer-No Net" (solid, remove dead copper, pour order 70): 2120,4566.64 2120,3750 2084,3750 2084,3767 1875,3767 1875,3681.64 1740,3681.64 1740,3766.64 1810,3766.64 1810,3906.64 1890,3906.64 1890,3986.64 1935,3986.64 1935,4566.64
NetF3_1 on Bottom Layer "Top Layer-No Net" (solid, remove dead copper, pour order 92): 5055,955 5055,755 5125,755 5125,510 5465,510 5465,955
+12VCC1 on Bottom Layer "Top Layer-No Net" (solid, remove dead copper, pour order 91): 4625,960 5045,960 5045,25 4625,25
GND on Bottom Layer "Top Layer-No Net" (solid, remove dead copper, pour order 82): 250,1325 250,25 1115,25 1115,1325
+12VCC3 on Bottom Layer "Top Layer-No Net" (solid, remove dead copper, pour order 53): 2945,4575 2945,4000 4180,4000 4180,4575
NetF2_1 on Bottom Layer "Top Layer-No Net" (solid, remove dead copper, pour order 55): 5115,3825 5475,3825 5475,4575 4545,4575 4545,4090 4730,4090 4730,3925 5115,3925
GND on Bottom Layer "Top Layer-No Net" (solid, remove dead copper, pour order 68): 5475,3650 4125,3650 4125,3920 5110,3920 5110,3820 5475,3820
GND on Bottom Layer "Top Layer-No Net" (solid, remove dead copper, pour order 81): 1125,1325 1125,25 1990,25 1990,1325
GND on Bottom Layer "Top Layer-No Net" (solid, remove dead copper, pour order 80): 2000,1325 2000,25 2865,25 2865,1325
GND on Bottom Layer "Top Layer-No Net" (solid, remove dead copper, pour order 79): 2875,1325 2875,25 3740,25 3740,1325
GND on Bottom Layer "Top Layer-No Net" (solid, remove dead copper, pour order 78): 3750,1325 3750,25 4615,25 4615,1325
INPUT_GND on Groun Plane (split plane): 934.9,4222.11 881.4,4168.6 880.29,4166.95 879.9,4165 879.9,3901.25 879.9,3821.25 880.29,3819.3 881.4,3817.65 914.9,3784.14 914.9,3562.11 827.89,3475.1 547.11,3475.1 465.1,3557.11 465.1,3852.5 465.1,3932.5 465.1,4065 464.71,4066.95 463.6,4068.6 305.1,4227.11 305.1,4579.9 934.9,4579.9
GND on Groun Plane (split plane): 5479.9,20.1 20.1,20.1 20.1,4579.9 294.9,4579.9 294.9,4225 295.29,4223.05 296.4,4221.4 454.9,4062.89 454.9,3932.5 454.9,3852.5 454.9,3555 455.29,3553.05 456.4,3551.4 541.4,3466.4 543.05,3465.29 545,3464.9 830,3464.9 831.95,3465.29 833.6,3466.4 923.6,3556.4 924.71,3558.05 925.1,3560 925.1,3786.25 924.71,3788.2 923.6,3789.85 890.1,3823.36 890.1,3901.25 890.1,4162.89 943.6,4216.4 944.71,4218.05 945.1,4220 945.1,4579.9 5479.9,4579.9
NetF1_1 on Power Plane (split plane): 5479.9,3395.1 4530.1,3395.1 4530.1,3639.9 5479.9,3639.9
+5VCC on Power Plane (split plane): 5479.9,1195.1 5058.1,1195.1 5058.1,1371 5057.71,1372.95 5056.6,1374.6 5054.95,1375.71 5053,1376.1 4745.1,1376.1 4745.1,1931.9 5479.9,1931.9
+12VCC3 on Power Plane (split plane): 4519.9,3900.1 2935.1,3900.1 2935.1,4579.9 4519.9,4579.9
NetF2_1 on Power Plane (split plane): 5479.9,3650.1 4530.1,3650.1 4530.1,4579.9 5479.9,4579.9
NetF3_1 on Power Plane (split plane): 5479.9,500.1 5057.1,500.1 5057.1,1184.9 5479.9,1184.9
no net on Power Plane (split plane): 4285.9,766.1 4065.1,766.1 4065.1,889.9 4285.9,889.9
no net on Power Plane (split plane): 3415.9,768.1 3195.1,768.1 3195.1,889.9 3415.9,889.9
+12VCC2 on Power Plane (split plane): 2924.9,3895 2925.29,3893.05 2926.4,3891.4 2928.05,3890.29 2930,3889.9 4519.9,3889.9 4519.9,3645 4519.9,3390 4519.9,3335.1 1666.11,3335.1 1609.61,3391.6 1609.6,3391.6 1484.35,3516.85 1482.7,3517.96 1480.75,3518.35 975.1,3518.35 975.1,3772 975.1,4202 975.1,4579.9 2924.9,4579.9
3.3VCC on Power Plane (split plane): 964.9,4202 964.9,3772 964.9,3513.25 965.29,3511.3 966.4,3509.65 968.05,3508.54 970,3508.15 1478.64,3508.15 1602.4,3384.4 1602.4,3384.39 1660.4,3326.4 1662.05,3325.29 1664,3324.9 4525,3324.9 4526.95,3325.29 4528.6,3326.4 4529.71,3328.05 4530.1,3330 4530.1,3384.9 5479.9,3384.9 5479.9,1942.1 4740,1942.1 4738.05,1941.71 4736.4,1940.6 4735.29,1938.95 4734.9,1937 4734.9,1376.1 4444.71,1376.1 4444.7,1376.1 4443.73,1375.9 4442.76,1375.71 4442.75,1375.7 4441.94,1375.16 4441.11,1374.6 4441.1,1374.6 4440.55,1373.77 4440,1372.95 4440,1372.94 4439.81,1371.96 4439.62,1371 4439.62,1370.99 4440.89,900.1 2317.87,900.1 2316.95,900.71 2315,901.1 2313.05,900.71 2312.13,900.1 1668.11,900.1 1667.6,900.6 1665.95,901.71 1664,902.1 1662.05,901.71 1660.4,900.6 1660.06,900.1 20.1,900.1 20.1,4579.9 964.9,4579.9
no net on Power Plane (split plane): 1661.9,767.1 1447.1,767.1 1447.1,889.9 1661.9,889.9
+12VCC1 on Power Plane (split plane): 5047.9,1192.87 5047.29,1191.95 5046.9,1190 5046.9,495 5047.29,493.05 5048.4,491.4 5050.05,490.29 5052,489.9 5479.9,489.9 5479.9,20.1 20.1,20.1 20.1,889.9 561.9,889.9 561.9,761 562.29,759.05 563.4,757.4 564.4,756.4 566.05,755.29 568,754.9 792,754.9 793.95,755.29 795.6,756.4 796.71,758.05 797.1,760 797.1,889.9 1436.9,889.9 1436.9,762 1437.29,760.05 1438.4,758.4 1440.05,757.29 1442,756.9 1667,756.9 1668.95,757.29 1670.6,758.4 1671.71,760.05 1672.1,762 1672.1,889.9 2309.9,889.9 2309.9,758 2310.29,756.05 2311.4,754.4 2313.05,753.29 2315,752.9 2547,752.9 2548.95,753.29 2550.6,754.4 2551.71,756.05 2552.1,758 2552.1,889.9 3184.9,889.9 3184.9,763 3185.29,761.05 3186.4,759.4 3188.05,758.29 3190,757.9 3421,757.9 3422.95,758.29 3424.6,759.4 3425.71,761.05 3426.1,763 3426.1,889.9 4054.9,889.9 4054.9,761 4055.29,759.05 4056.4,757.4 4058.05,756.29 4060,755.9 4290,755.9 4291.95,756.29 4293.6,757.4 4294.6,758.4 4295.71,760.05 4296.1,762 4296.1,889.9 4446,889.9 4446.01,889.9 4446.97,890.09 4447.95,890.29 4447.96,890.29 4447.96,890.3 4448.77,890.84 4449.6,891.4 4449.61,891.4 4450.16,892.22 4450.71,893.05 4450.71,893.06 4450.72,893.06 4450.91,894.04 4451.1,895 4451.1,895.01 4449.83,1365.9 5047.9,1365.9
no net on Power Plane (split plane): 2541.9,763.1 2320.1,763.1 2320.1,889.9 2541.9,889.9
no net on Power Plane (split plane): 786.9,765.1 572.1,765.1 572.1,889.9 786.9,889.9

## Keep-outs
Keep-Out Layer:
  lines w10: 25,25 5475,25 5475,4575 25,4575 25,25

## Other copper
Groun Plane (plane layer: these items are gaps in the copper):
  lines w10: 300,4600 300,4225 460,4065 460,3932.5 460,3852.5 460,3555 545,3470 830,3470 920,3560 920,3786.25 885,3821.25 885,3901.25 885,4165 940,4220 940,4600
Power Plane (plane layer: these items are gaps in the copper):
  lines w10: 0,0 1,895 4446,895 4444.71,1371 4740,1371 ; 567,895 567,761 568,760 792,760 792,895 ; 970,4600 970,4202 970,3772 970,3513.25 1480.75,3513.25 1606,3388 1664,3330 3200,3330 3655,3330 4525,3330 4525,3390 ; 1442,895 1442,762 1667,762 1667,894 1664,897 ; 2315,896 2315,758 2547,758 2547,895 ; 2930,4600 2930,3895 3665,3895 ; 3190,895 3190,763 3421,763 3421,895 ; 3645,3895 4525,3895 ; 4060,895 4060,761 4290,761 4291,762 4291,895 ; 4525,4610 4525,3645 ; 5052,1190 5052,495 5503,495 ; 5500,1937 4740,1937 4740,1371 ; 5510,1190 5053,1190 5053,1371 4865.5,1371 4740,1371 ; 5510,3390 5140,3390 4525,3390 ; 5510,3645 4525,3645 ; 4525,3390 4525,3645

## Silkscreen, mask and mechanical layers (free items; w line width, h text height)
Top Overlay:
  lines w10: 40,40 40,220 220,220 220,40 195,40 40,40 ; 45,4375 200,4375 225,4375 225,4555 45,4555 45,4375 ; 5275,45 5455,45 5455,225 5275,225 5275,45 ; 5275,4375 5275,4555 5455,4555 5455,4375 5275,4375
  text "HEATBED" at 4730,4265 h120
  text "FAN-0" at 1025,4173.64 h120
  text "FAN-1" at 1360,4173.64 h120
  text "HEAT-0" at 1775,4125 h100
  text "HEAT-1" at 2160,4124 h100
  text "HEATBED" at 2971,4124.22 h100
  text "HEAT-2" at 2574,4123 h100
  text "HEATERS" at 3466,4065 h130 r90
  text "PWR IN 3" at 5036,3653 h100 r90
  text "12V - 24V" at 5106,3648 h100 r90
  text "AVR" at 75,3360 h160
  text "MOSFETS" at 4125,3335 h120
  text "PWR IN 2" at 5026,3253 h100 r90
  text "12V - 24V" at 5106,3253 h100 r90
  text "Thermocouples" at 3460,3225 h90
  text "Thermistors" at 4270,3220 h90
  text "USB Isolation" at 985,3195 h100 r90
  text "microSD" at 40,3140 h100
  text "GPIO Port 1" at 2075,2975 h155
  text "Smart Port" at 4707,2975 h155
  text "Tigershark 3D" at 2042.02,2331 h220
  text "Prototype Rev 1V7" at 2337.02,2266 h80
  text "X" at 3455,2255 h300
  text "Y" at 3870,2255 h300
  text "Z" at 4320,2255 h300
  text "Designed By Adam Vadala-Roth" at 2140,2210 h90
  text "3.3V LDO" at 5450,2080 h150 r90
  text "S" at 2450,1860 h2400
  text "G" at 2919,1854 h330
  text "S" at 2090,1835 h210
  text "ERASE" at 2035,1720 h75
  text "GPIO Port 0" at 37,1690 h155
  text "ENDSTOPS" at 3317,1631 h120 r90
  text "MAX / MIN" at 4646,1611 h120 r90
  text "+5V DCDC" at 5460,1355 h150 r90
  text "PWR IN 2" at 5035,329.5 h90 r90
  text "12V - 24V" at 5100,329.5 h90 r90
  text "STEPPER DRIVERS" at 125,250 h130 r90
  text "2.5A Per Phase" at 215,250 h130 r90
  text "X" at 270,45 h300
  text "Y" at 1145,45 h300
  text "Z" at 2020,45 h300
  text "E" at 2890,45 h300
  text "0" at 3585,45 h300
  text "E" at 3780,45 h300
  text "1" at 4460,45 h300
Bottom Overlay:
  text "Tigershark 3D" at 4525,1515 h250
  text "Powered by TinyG" at 4520,1375 h140
  text "Based On the Work of Ultimachine," at 4500,1275 h140
  text "Arduino, RepRap, and Synthetos.com" at 4500,1160 h140
  text "Developed by Adam Vadala-Roth in" at 4500,1045 h140
  text "collaboration with Johnny Russel" at 4500,925 h140
  text "and Alden Hart" at 4500,810 h140
  text "G" at 3795,510 h310
  text "S" at 4195,510 h2000
  text "S" at 4515,490 h175
  text "#YOLO" at 4495,265 h200
Mechanical 15:
  lines w10: 0,0 0,4600 5500,4600 5500,760 5500,400 5500,0 0,0

## Text inside footprints (layer, text, board x,y; h text height)
FAN-1: Mechanical 16 "1" at 1627.5,4440.08 h62 r180
FAN-2: Mechanical 16 "1" at 1292.5,4440.08 h62 r180
FETS: Top Overlay "4" at 2336,4264.22 h77.5; Top Overlay "3" at 2136,4264.22 h77.5; Top Overlay "2" at 1936,4264.22 h77.5; Top Overlay "1" at 1751,4264.22 h77.5; Top Overlay "5" at 2536,4264.22 h77.5; Top Overlay "6" at 2736,4264.22 h77.5; Top Overlay "7" at 2936,4264.22 h77.5; Top Overlay "8" at 3136,4264.22 h77.5
"Heat Power": Top Overlay "4" at 5185,3450 h77.5 r270; Top Overlay "3" at 5185,3650 h77.5 r270; Top Overlay "2" at 5185,3850 h77.5 r270; Top Overlay "1" at 5185,4035 h77.5 r270
MAX1_EndstopChannel1: Mechanical 16 "1" at 3367.5,1682.5 h62
MAX1_EndstopChannel2: Mechanical 16 "1" at 4207.5,1682.5 h62
MAX1_EndstopChannel3: Mechanical 16 "1" at 3787.5,1682.5 h62
MIN1_EndstopChannel1: Mechanical 16 "1" at 3692.5,2047.5 h62 r180
MIN1_EndstopChannel2: Mechanical 16 "1" at 4532.5,2047.5 h62 r180
MIN1_EndstopChannel3: Mechanical 16 "1" at 4112.5,2047.5 h62 r180
"Motor Power": Top Overlay "2" at 5185,500 h77.5 r270; Top Overlay "1" at 5185,685 h77.5 r270
P2_ThermistorChannel1: Mechanical 16 "1" at 4527.5,2557.5 h62 r90
P2_ThermistorChannel2: Mechanical 16 "1" at 4527.5,2942.5 h62 r90
T2_ThermocoupleChannel1: Mechanical 16 "1" at 3972.5,2557.5 h62 r90
T2_ThermocoupleChannel2: Mechanical 16 "1" at 3972.5,2942.5 h62 r90
U3: Top Overlay "TQFP 144" at 1383.05,2352.36 h49.6 r270; Top Overlay "R" at 1438.56,2107.73 h37.2 r270